# EAGLE board Mk4 Final Panel (EAGLE 9.0.1), part 8 of 18
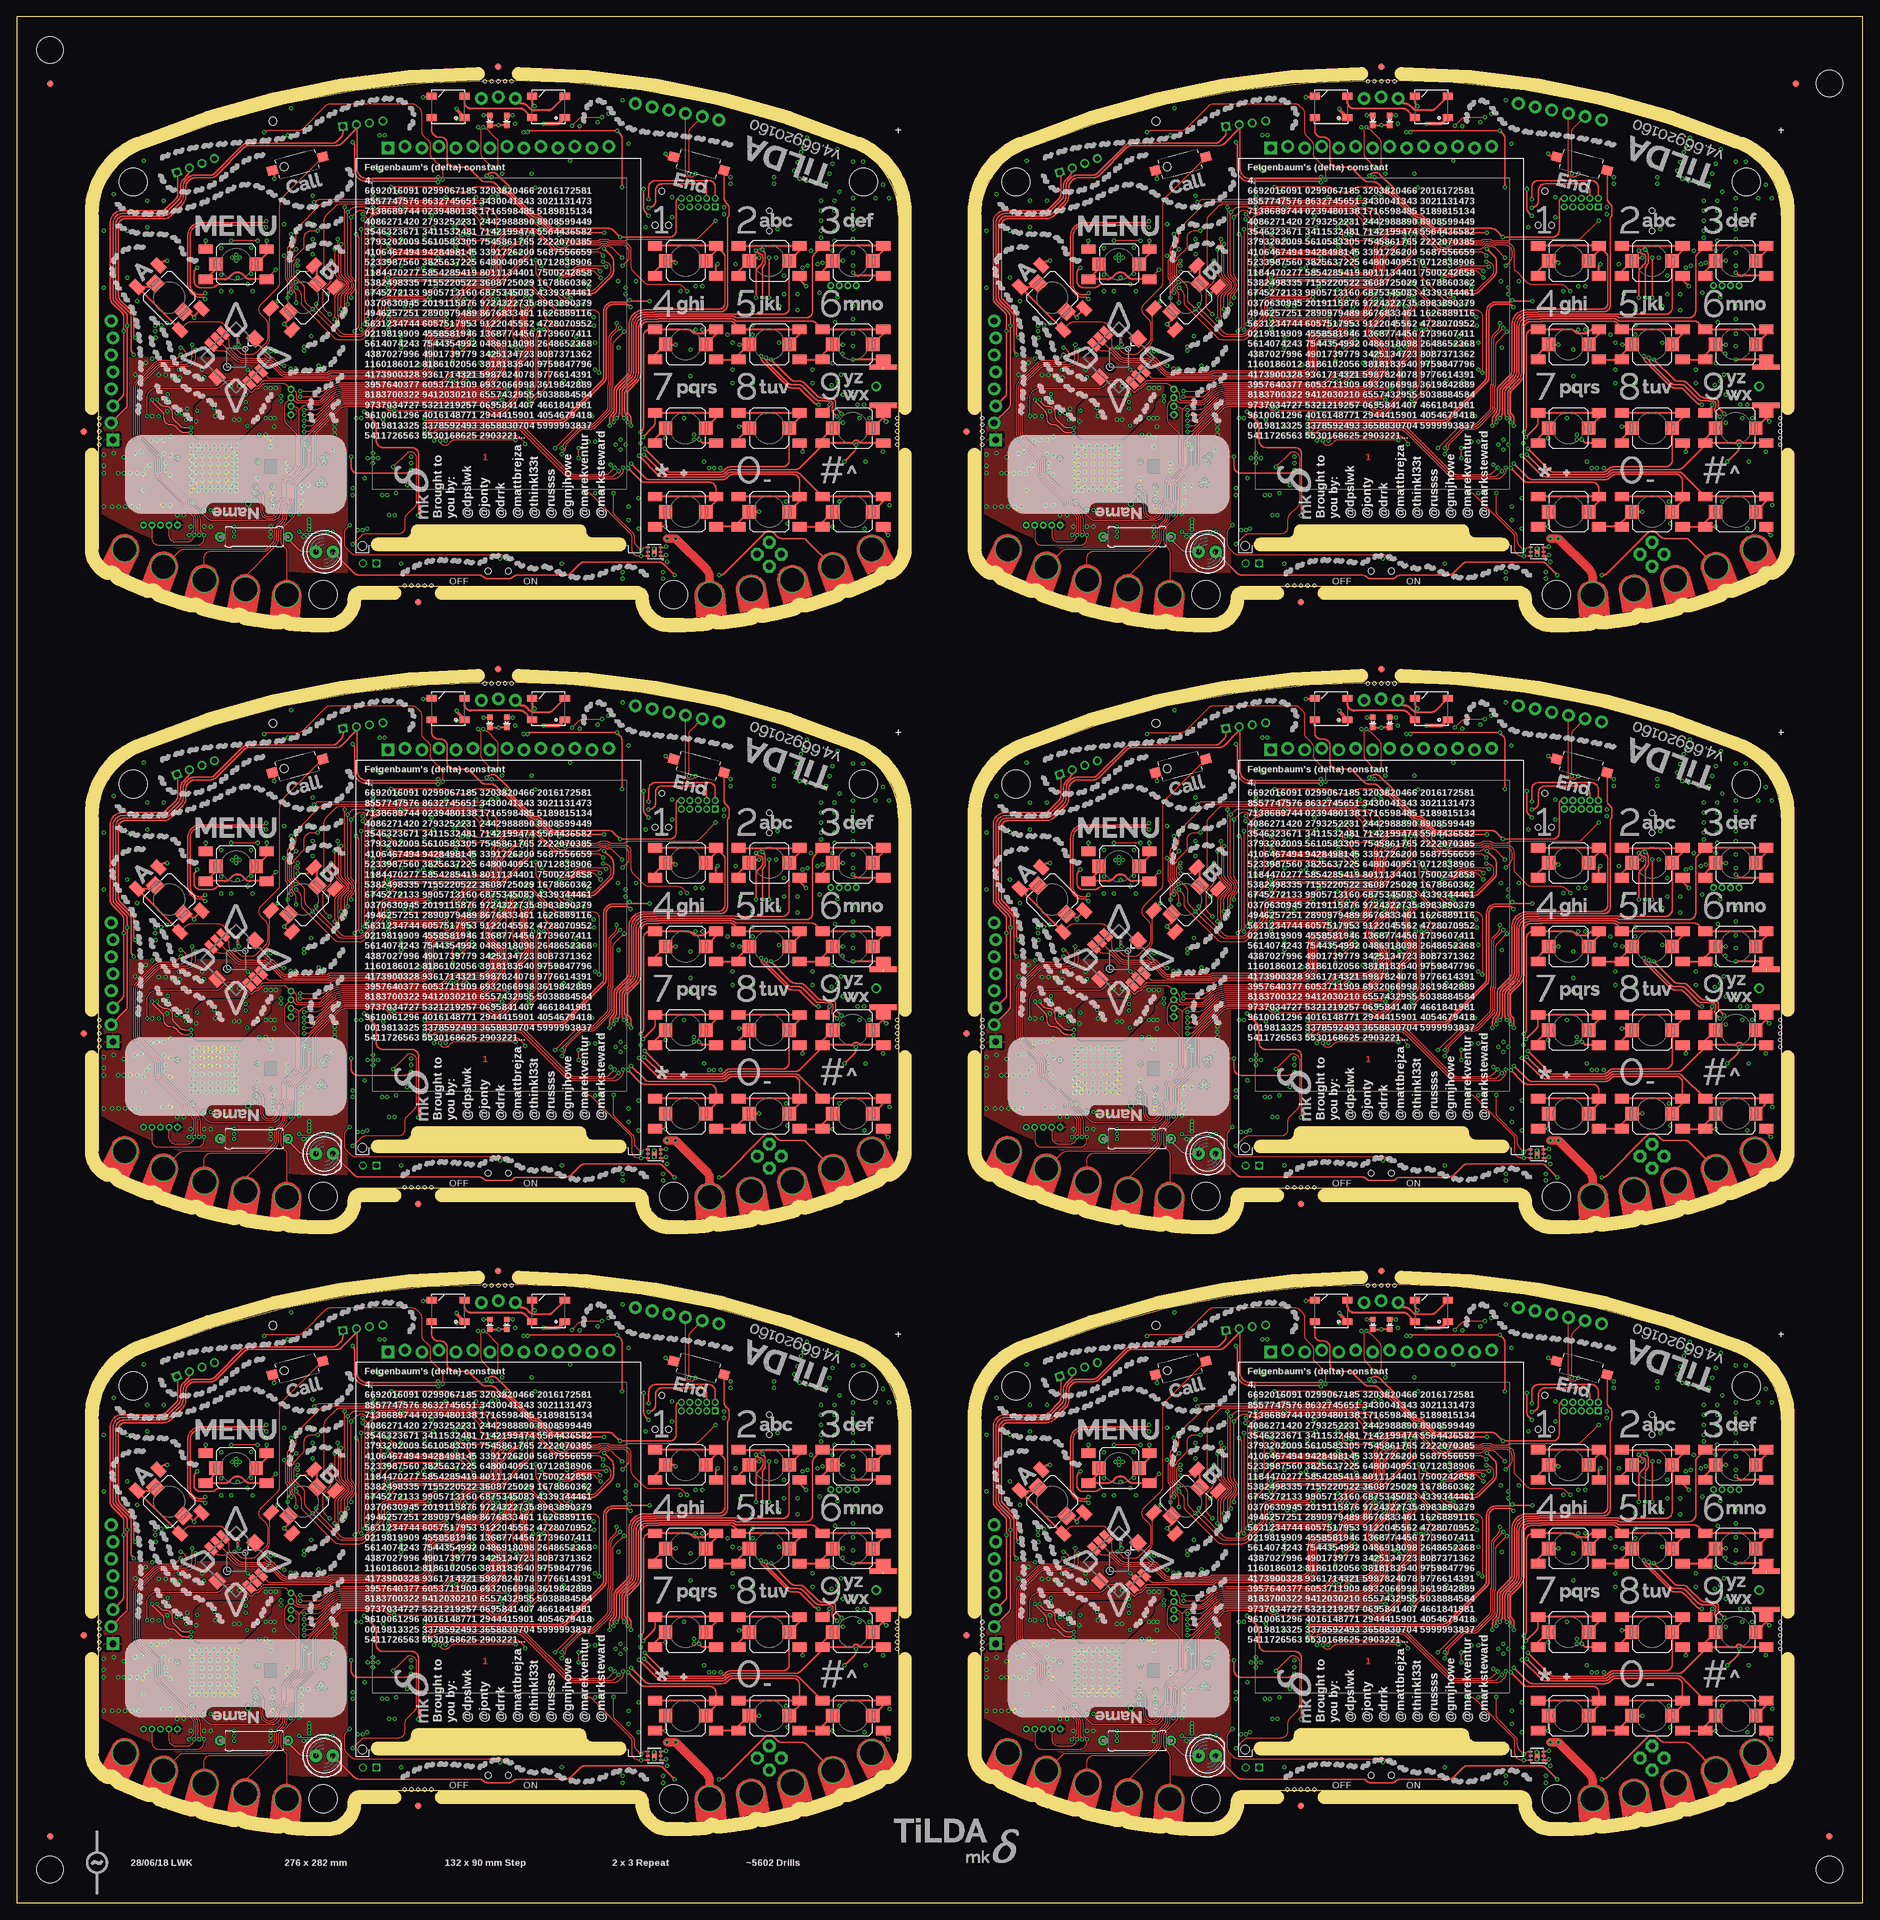
[diagram p0: board, top side]
## Tracks (layer width: path | path; a pad name or v marks a point on that pad's centre or on a via) (continued)
ETHLED4 (continued)
  Bottom 0.15: R163.2 56.5,168.51 arc45 56.79,167.81 57.51,167.09 arc-45 57.8,166.39 57.8,163.94 57.89,163.85 arc-90 57.89,163.15 57.8,163.06 57.8,159.19 57.89,159.1 arc-90 57.89,158.4 57.8,158.31 57.8,156.11 arc45 58.09,155.41 58.61,154.89 arc-45 58.9,154.19 58.9,153.4 arc90 59.9,152.4 IC38.42
ETHLED5
  Bottom 0.15: R164.2 57.5,168.01 arc45 57.79,167.31 57.81,167.29 arc-45 58.1,166.59 58.1,164.07 58.14,164.03 arc-90 58.14,162.97 58.1,162.93 58.1,159.32 58.14,159.28 arc-90 58.14,158.22 58.1,158.18 58.1,156.31 arc45 58.39,155.61 59.01,154.99 arc-45 59.3,154.29 59.3,153.8 arc90 60.3,152.8 IC38.43
ETHLED6
  Bottom 0.15: R241.2 188.5,168.51 arc45 188.79,167.81 189.51,167.09 arc-45 189.8,166.39 189.8,163.94 189.89,163.85 arc-90 189.89,163.15 189.8,163.06 189.8,159.19 189.89,159.1 arc-90 189.89,158.4 189.8,158.31 189.8,156.11 arc45 190.09,155.41 190.61,154.89 arc-45 190.9,154.19 190.9,153.4 arc90 191.9,152.4 IC56.42
ETHLED7
  Bottom 0.15: R242.2 189.5,168.01 arc45 189.79,167.31 189.81,167.29 arc-45 190.1,166.59 190.1,164.07 190.14,164.03 arc-90 190.14,162.97 190.1,162.93 190.1,159.32 190.14,159.28 arc-90 190.14,158.22 190.1,158.18 190.1,156.31 arc45 190.39,155.61 191.01,154.99 arc-45 191.3,154.29 191.3,153.8 arc90 192.3,152.8 IC56.43
ETHLED8
  Bottom 0.15: R319.2 56.5,258.51 arc45 56.79,257.81 57.51,257.09 arc-45 57.8,256.39 57.8,253.94 57.89,253.85 arc-90 57.89,253.15 57.8,253.06 57.8,249.19 57.89,249.1 arc-90 57.89,248.4 57.8,248.31 57.8,246.11 arc45 58.09,245.41 58.61,244.89 arc-45 58.9,244.19 58.9,243.4 arc90 59.9,242.4 IC74.42
ETHLED9
  Bottom 0.15: R320.2 57.5,258.01 arc45 57.79,257.31 57.81,257.29 arc-45 58.1,256.59 58.1,254.07 58.14,254.03 arc-90 58.14,252.97 58.1,252.93 58.1,249.32 58.14,249.28 arc-90 58.14,248.22 58.1,248.18 58.1,246.31 arc45 58.39,245.61 59.01,244.99 arc-45 59.3,244.29 59.3,243.8 arc90 60.3,242.8 IC74.43
ETHLED10
  Bottom 0.15: R397.2 188.5,258.51 arc45 188.79,257.81 189.51,257.09 arc-45 189.8,256.39 189.8,253.94 189.89,253.85 arc-90 189.89,253.15 189.8,253.06 189.8,249.19 189.89,249.1 arc-90 189.89,248.4 189.8,248.31 189.8,246.11 arc45 190.09,245.41 190.61,244.89 arc-45 190.9,244.19 190.9,243.4 arc90 191.9,242.4 IC92.42
ETHLED11
  Bottom 0.15: R398.2 189.5,258.01 arc45 189.79,257.31 189.81,257.29 arc-45 190.1,256.59 190.1,254.07 190.14,254.03 arc-90 190.14,252.97 190.1,252.93 190.1,249.32 190.14,249.28 arc-90 190.14,248.22 190.1,248.18 190.1,246.31 arc45 190.39,245.61 191.01,244.99 arc-45 191.3,244.29 191.3,243.8 arc90 192.3,242.8 IC92.43
FET
  Bottom 0.15: IC1.110 80.78,66 arc45 80.85,66.03 81.09,66.27 arc-45 81.17,66.3 83.58,66.3 arc-90 85.58,64.3 85.58,62.38 arc45 85.72,62.02 85.88,61.86 arc-45 86.03,61.51 86.03,61.25 arc45 86.32,60.54 95.23,51.63 arc-45 95.5,50.98 95.5,50
  Bottom 0.2: R59.1 115.41,25.25 arc-45 114.71,25.54 106.79,33.46 arc45 106.09,33.75 101.11,33.75 arc-45 100.41,34.04 95.79,38.66 arc-45 95.5,39.36 95.5,50
  Bottom 0.3: Q2.1 116.92,25.25 R59.1
FET1
  Bottom 0.15: IC20.110 212.78,66 arc45 212.85,66.03 213.09,66.27 arc-45 213.17,66.3 215.57,66.3 arc-90 217.57,64.3 217.57,62.38 arc45 217.72,62.02 217.88,61.86 arc-45 218.03,61.51 218.03,61.25 arc45 218.32,60.54 227.23,51.63 arc-45 227.5,50.98 227.5,50
  Bottom 0.2: R137.1 247.41,25.25 arc-45 246.71,25.54 238.79,33.46 arc45 238.09,33.75 233.11,33.75 arc-45 232.41,34.04 227.79,38.66 arc-45 227.5,39.36 227.5,50
  Bottom 0.3: Q5.1 248.93,25.25 R137.1
FET2
  Bottom 0.15: IC38.110 80.78,156 arc45 80.85,156.03 81.09,156.27 arc-45 81.17,156.3 83.58,156.3 arc-90 85.58,154.3 85.58,152.38 arc45 85.72,152.02 85.88,151.86 arc-45 86.03,151.51 86.03,151.25 arc45 86.32,150.54 95.23,141.63 arc-45 95.5,140.98 95.5,140
  Bottom 0.2: R215.1 115.41,115.25 arc-45 114.71,115.54 106.79,123.46 arc45 106.09,123.75 101.11,123.75 arc-45 100.41,124.04 95.79,128.66 arc-45 95.5,129.36 95.5,140
  Bottom 0.3: Q10.1 116.92,115.25 R215.1
FET3
  Bottom 0.15: IC56.110 212.78,156 arc45 212.85,156.03 213.09,156.27 arc-45 213.17,156.3 215.57,156.3 arc-90 217.57,154.3 217.57,152.38 arc45 217.72,152.02 217.88,151.86 arc-45 218.03,151.51 218.03,151.25 arc45 218.32,150.54 227.23,141.63 arc-45 227.5,140.98 227.5,140
  Bottom 0.2: R293.1 247.41,115.25 arc-45 246.71,115.54 238.79,123.46 arc45 238.09,123.75 233.11,123.75 arc-45 232.41,124.04 227.79,128.66 arc-45 227.5,129.36 227.5,140
  Bottom 0.3: Q14.1 248.93,115.25 R293.1
FET4
  Bottom 0.15: IC74.110 80.78,246 arc45 80.85,246.03 81.09,246.27 arc-45 81.17,246.3 83.58,246.3 arc-90 85.58,244.3 85.58,242.38 arc45 85.72,242.02 85.88,241.86 arc-45 86.03,241.51 86.03,241.25 arc45 86.32,240.54 95.23,231.63 arc-45 95.5,230.98 95.5,230
  Bottom 0.2: R371.1 115.41,205.25 arc-45 114.71,205.54 106.79,213.46 arc45 106.09,213.75 101.11,213.75 arc-45 100.41,214.04 95.79,218.66 arc-45 95.5,219.36 95.5,230
  Bottom 0.3: Q18.1 116.92,205.25 R371.1
FET5
  Bottom 0.15: IC92.110 212.78,246 arc45 212.85,246.03 213.09,246.27 arc-45 213.17,246.3 215.57,246.3 arc-90 217.57,244.3 217.57,242.38 arc45 217.72,242.02 217.88,241.86 arc-45 218.03,241.51 218.03,241.25 arc45 218.32,240.54 227.23,231.63 arc-45 227.5,230.98 227.5,230
  Bottom 0.2: R449.1 247.41,205.25 arc-45 246.71,205.54 238.79,213.46 arc45 238.09,213.75 233.11,213.75 arc-45 232.41,214.04 227.79,218.66 arc-45 227.5,219.36 227.5,230
  Bottom 0.3: Q22.1 248.93,205.25 R449.1
FET_OUT  (via drill 0.3)
  Top 0.25: LED5.K 50.45,18.82 arc45 51.16,18.52 69.11,18.52 arc-45 69.81,18.23 arc45 70.37,18 73.66,18 arc45 74.16,18.21 arc-45 74.87,18.5 82.09,18.5 arc45 82.79,18.79 84.21,20.21 arc-45 84.91,20.5 95.94,20.5 arc-45 96.64,20.21 v98.35,18.5 | v105,18.5 105.09,18.5 arc45 105.79,18.79 111.5,24.5 111.71,24.71 111.79,24.79 arc-90 113.21,24.79 113.71,24.29 arc45 114.41,24 117.4,24 arc-45 118.11,23.71 PCB.FET
  Bottom 0.25: v98.35,18.5 v105,18.5
  Bottom 0.4: Q2.3 118.92,23.3 arc45 119.22,22.59 120.91,20.91
  Bottom 0.5: 120.91,20.91 PCB.FET
FET_OUT1  (via drill 0.3)
  Top 0.25: LED11.K 182.45,18.82 arc45 183.16,18.52 201.1,18.52 arc-45 201.81,18.23 arc45 202.37,18 205.66,18 arc45 206.16,18.21 arc-45 206.87,18.5 214.09,18.5 arc45 214.79,18.79 216.21,20.21 arc-45 216.91,20.5 227.94,20.5 arc-45 228.64,20.21 v230.35,18.5 | v237,18.5 237.09,18.5 arc45 237.79,18.79 243.5,24.5 243.71,24.71 243.79,24.79 arc-90 245.21,24.79 245.71,24.29 arc45 246.41,24 249.4,24 arc-45 250.11,23.71 PCB1.FET
  Bottom 0.25: v230.35,18.5 v237,18.5
  Bottom 0.4: Q5.3 250.93,23.3 arc45 251.22,22.59 252.91,20.91
  Bottom 0.5: 252.91,20.91 PCB1.FET
FET_OUT2  (via drill 0.3)
  Top 0.25: LED17.K 50.45,108.82 arc45 51.16,108.53 69.11,108.53 arc-45 69.81,108.23 arc45 70.37,108 73.66,108 arc45 74.16,108.21 arc-45 74.87,108.5 82.09,108.5 arc45 82.79,108.79 84.21,110.21 arc-45 84.91,110.5 95.94,110.5 arc-45 96.64,110.21 v98.35,108.5 | v105,108.5 105.09,108.5 arc45 105.79,108.79 111.5,114.5 111.71,114.71 111.79,114.79 arc-90 113.21,114.79 113.71,114.29 arc45 114.41,114 117.4,114 arc-45 118.11,113.71 PCB2.FET
  Bottom 0.25: v98.35,108.5 v105,108.5
  Bottom 0.4: Q10.3 118.92,113.3 arc45 119.22,112.59 120.91,110.91
  Bottom 0.5: 120.91,110.91 PCB2.FET
FET_OUT3  (via drill 0.3)
  Top 0.25: LED23.K 182.45,108.82 arc45 183.16,108.53 201.1,108.53 arc-45 201.81,108.23 arc45 202.37,108 205.66,108 arc45 206.16,108.21 arc-45 206.87,108.5 214.09,108.5 arc45 214.79,108.79 216.21,110.21 arc-45 216.91,110.5 227.94,110.5 arc-45 228.64,110.21 v230.35,108.5 | v237,108.5 237.09,108.5 arc45 237.79,108.79 243.5,114.5 243.71,114.71 243.79,114.79 arc-90 245.21,114.79 245.71,114.29 arc45 246.41,114 249.4,114 arc-45 250.11,113.71 PCB3.FET
  Bottom 0.25: v230.35,108.5 v237,108.5
  Bottom 0.4: Q14.3 250.93,113.3 arc45 251.22,112.59 252.91,110.91
  Bottom 0.5: 252.91,110.91 PCB3.FET
FET_OUT4  (via drill 0.3)
  Top 0.25: LED29.K 50.45,198.82 arc45 51.16,198.53 69.11,198.53 arc-45 69.81,198.23 arc45 70.37,198 73.66,198 arc45 74.16,198.21 arc-45 74.87,198.5 82.09,198.5 arc45 82.79,198.79 84.21,200.21 arc-45 84.91,200.5 95.94,200.5 arc-45 96.64,200.21 v98.35,198.5 | v105,198.5 105.09,198.5 arc45 105.79,198.79 111.5,204.5 111.71,204.71 111.79,204.79 arc-90 113.21,204.79 113.71,204.29 arc45 114.41,204 117.4,204 arc-45 118.11,203.71 PCB4.FET
  Bottom 0.25: v98.35,198.5 v105,198.5
  Bottom 0.4: Q18.3 118.92,203.3 arc45 119.22,202.59 120.91,200.91
  Bottom 0.5: 120.91,200.91 PCB4.FET
FET_OUT5  (via drill 0.3)
  Top 0.25: LED35.K 182.45,198.82 arc45 183.16,198.53 201.1,198.53 arc-45 201.81,198.23 arc45 202.37,198 205.66,198 arc45 206.16,198.21 arc-45 206.87,198.5 214.09,198.5 arc45 214.79,198.79 216.21,200.21 arc-45 216.91,200.5 227.94,200.5 arc-45 228.64,200.21 v230.35,198.5 | v237,198.5 237.09,198.5 arc45 237.79,198.79 243.5,204.5 243.71,204.71 243.79,204.79 arc-90 245.21,204.79 245.71,204.29 arc45 246.41,204 249.4,204 arc-45 250.11,203.71 PCB5.FET
  Bottom 0.25: v230.35,198.5 v237,198.5
  Bottom 0.4: Q22.3 250.93,203.3 arc45 251.22,202.59 252.91,200.91
  Bottom 0.5: 252.91,200.91 PCB5.FET
FLASH_!CS  (via drill 0.3)
  Top 0.15: v25.75,24.5 26.23,24.98 arc45 26.52,25.69 26.52,26.73 arc45 26.23,27.44 24.9,28.77 arc-45 24.83,28.95 24.83,29.22 arc45 24.75,29.4 21.31,32.84 arc-45 20.8,34.08 20.8,35.29 arc45 20.51,35.99 18.01,38.49 arc-45 17.5,39.73 17.5,46.48 arc-45 18.01,47.71 20.46,50.16 arc-45 21.7,50.67 23.26,50.67 arc45 23.97,50.97 v24.5,51.5
  Bottom 0.15: JP1.3 21.48,24.5 arc90 22.48,23.5 24.34,23.5 arc45 25.04,23.79 v25.75,24.5 26.28,25.03 arc45 26.58,25.74 26.58,28.94 arc-45 26.63,29.08 26.72,29.16 arc45 26.77,29.3 26.77,29.66 26.75,29.68 IC15.14
  Bottom 0.2: R67.1 22.5,50.22 IC14.1 23.34,50.34 v24.5,51.5
FLASH_!CS1  (via drill 0.3)
  Top 0.15: v157.75,24.5 158.23,24.98 arc45 158.53,25.69 158.53,26.73 arc45 158.23,27.44 156.9,28.77 arc-45 156.82,28.95 156.82,29.22 arc45 156.75,29.4 153.31,32.84 arc-45 152.8,34.08 152.8,35.29 arc45 152.51,35.99 150.01,38.49 arc-45 149.5,39.73 149.5,46.48 arc-45 150.01,47.71 152.46,50.16 arc-45 153.7,50.67 155.26,50.67 arc45 155.97,50.97 v156.5,51.5
  Bottom 0.15: JP15.3 153.48,24.5 arc90 154.48,23.5 156.34,23.5 arc45 157.04,23.79 v157.75,24.5 158.28,25.03 arc45 158.57,25.74 158.57,28.94 arc-45 158.63,29.08 158.72,29.16 arc45 158.78,29.3 158.78,29.66 158.75,29.68 IC29.14
  Bottom 0.2: R145.1 154.5,50.22 IC30.1 155.34,50.34 v156.5,51.5
FLASH_!CS2  (via drill 0.3)
  Top 0.15: v25.75,114.5 26.23,114.98 arc45 26.52,115.69 26.52,116.73 arc45 26.23,117.44 24.9,118.78 arc-45 24.83,118.95 24.83,119.22 arc45 24.75,119.4 21.31,122.84 arc-45 20.8,124.08 20.8,125.29 arc45 20.51,125.99 18.01,128.49 arc-45 17.5,129.73 17.5,136.47 arc-45 18.01,137.71 20.46,140.16 arc-45 21.7,140.68 23.26,140.68 arc45 23.97,140.97 v24.5,141.5
  Bottom 0.15: JP24.3 21.48,114.5 arc90 22.48,113.5 24.34,113.5 arc45 25.04,113.79 v25.75,114.5 26.28,115.03 arc45 26.58,115.74 26.58,118.94 arc-45 26.63,119.08 26.72,119.16 arc45 26.77,119.3 26.77,119.66 26.75,119.68 IC47.14
  Bottom 0.2: R223.1 22.5,140.22 IC48.1 23.34,140.34 v24.5,141.5
FLASH_!CS3  (via drill 0.3)
  Top 0.15: v157.75,114.5 158.23,114.98 arc45 158.53,115.69 158.53,116.73 arc45 158.23,117.44 156.9,118.78 arc-45 156.82,118.95 156.82,119.22 arc45 156.75,119.4 153.31,122.84 arc-45 152.8,124.08 152.8,125.29 arc45 152.51,125.99 150.01,128.49 arc-45 149.5,129.73 149.5,136.47 arc-45 150.01,137.71 152.46,140.16 arc-45 153.7,140.68 155.26,140.68 arc45 155.97,140.97 v156.5,141.5
  Bottom 0.15: JP33.3 153.48,114.5 arc90 154.48,113.5 156.34,113.5 arc45 157.04,113.79 v157.75,114.5 158.28,115.03 arc45 158.57,115.74 158.57,118.94 arc-45 158.63,119.08 158.72,119.16 arc45 158.78,119.3 158.78,119.66 158.75,119.68 IC65.14
  Bottom 0.2: R301.1 154.5,140.22 IC66.1 155.34,140.34 v156.5,141.5
FLASH_!CS4  (via drill 0.3)
  Top 0.15: v25.75,204.5 26.23,204.98 arc45 26.52,205.69 26.52,206.73 arc45 26.23,207.44 24.9,208.78 arc-45 24.83,208.95 24.83,209.22 arc45 24.75,209.4 21.31,212.84 arc-45 20.8,214.07 20.8,215.29 arc45 20.51,215.99 18.01,218.49 arc-45 17.5,219.73 17.5,226.47 arc-45 18.01,227.71 20.46,230.16 arc-45 21.7,230.68 23.26,230.68 arc45 23.97,230.97 v24.5,231.5
  Bottom 0.15: JP42.3 21.48,204.5 arc90 22.48,203.5 24.34,203.5 arc45 25.04,203.79 v25.75,204.5 26.28,205.03 arc45 26.58,205.74 26.58,208.94 arc-45 26.63,209.08 26.72,209.16 arc45 26.77,209.3 26.77,209.66 26.75,209.68 IC83.14
  Bottom 0.2: R379.1 22.5,230.22 IC84.1 23.34,230.34 v24.5,231.5
FLASH_!CS5  (via drill 0.3)
  Top 0.15: v157.75,204.5 158.23,204.98 arc45 158.53,205.69 158.53,206.73 arc45 158.23,207.44 156.9,208.78 arc-45 156.82,208.95 156.82,209.22 arc45 156.75,209.4 153.31,212.84 arc-45 152.8,214.07 152.8,215.29 arc45 152.51,215.99 150.01,218.49 arc-45 149.5,219.73 149.5,226.47 arc-45 150.01,227.71 152.46,230.16 arc-45 153.7,230.68 155.26,230.68 arc45 155.97,230.97 v156.5,231.5
  Bottom 0.15: JP51.3 153.48,204.5 arc90 154.48,203.5 156.34,203.5 arc45 157.04,203.79 v157.75,204.5 158.28,205.03 arc45 158.57,205.74 158.57,208.94 arc-45 158.63,209.08 158.72,209.16 arc45 158.78,209.3 158.78,209.66 158.75,209.68 IC101.14
  Bottom 0.2: R457.1 154.5,230.22 IC102.1 155.34,230.34 v156.5,231.5
FLASH_!HOLD
  Bottom 0.2: R9.2 81.31,55.75 IC6.7
FLASH_!HOLD1
  Bottom 0.2: R93.2 213.31,55.75 IC22.7
FLASH_!HOLD2
  Bottom 0.2: R171.2 81.31,145.75 IC40.7
FLASH_!HOLD3
  Bottom 0.2: R249.2 213.31,145.75 IC58.7
FLASH_!HOLD4
  Bottom 0.2: R327.2 81.31,235.75 IC76.7
FLASH_!HOLD5
  Bottom 0.2: R405.2 213.31,235.75 IC94.7
FLASH_!WP
  Bottom 0.2: IC6.3 89.73,54.52 R10.2
FLASH_!WP1
  Bottom 0.2: IC22.3 221.74,54.52 R94.2
FLASH_!WP2
  Bottom 0.2: IC40.3 89.73,144.51 R172.2
FLASH_!WP3
  Bottom 0.2: IC58.3 221.74,144.51 R250.2
FLASH_!WP4
  Bottom 0.2: IC76.3 89.73,234.51 R328.2
FLASH_!WP5
  Bottom 0.2: IC94.3 221.74,234.51 R406.2
FLASH_CLK  (via drill 0.3)
  Top 0.15: v26.75,52.25 26.75,51.02 arc-90 25.5,49.77 21.76,49.77 arc45 21.05,49.48 18.69,47.12 arc45 18.4,46.41 18.4,39.81 arc45 18.69,39.11 21.49,36.31 arc-45 21.7,35.8 21.7,34.14 arc45 21.99,33.43 25.65,29.77 arc-45 25.73,29.59 25.73,29.32 arc45 25.8,29.15 26.96,27.98 arc-45 27.48,26.75 27.48,25.44 arc45 27.77,24.73 v28,24.5 28,24 arc-90 27,23 21.21,23 arc-90 20.21,24 JP1.4
  Bottom 0.15: IC15.11 28.25,29.84 arc-45 27.96,29.13 27.77,28.94 arc45 27.48,28.23 27.48,25.44 arc45 27.77,24.73 v28,24.5
  Bottom 0.2: IC14.6 27.8,52.88 arc45 27.09,52.59 v26.75,52.25
FLASH_CLK1  (via drill 0.3)
  Top 0.15: v158.75,52.25 158.75,51.02 arc-90 157.5,49.77 153.76,49.77 arc45 153.06,49.48 150.69,47.12 arc45 150.4,46.41 150.4,39.81 arc45 150.69,39.11 153.49,36.31 arc-45 153.7,35.8 153.7,34.14 arc45 153.99,33.43 157.65,29.77 arc-45 157.72,29.59 157.72,29.32 arc45 157.8,29.15 158.96,27.98 arc-45 159.47,26.75 159.47,25.44 arc45 159.77,24.73 v160,24.5 160,24 arc-90 159,23 153.21,23 arc-90 152.21,24 JP15.4
  Bottom 0.15: IC29.11 160.25,29.84 arc-45 159.96,29.13 159.77,28.94 arc45 159.47,28.23 159.47,25.44 arc45 159.77,24.73 v160,24.5
  Bottom 0.2: IC30.6 159.8,52.88 arc45 159.09,52.59 v158.75,52.25
FLASH_CLK2  (via drill 0.3)
  Top 0.15: v26.75,142.25 26.75,141.03 arc-90 25.5,139.78 21.76,139.78 arc45 21.05,139.48 18.69,137.12 arc45 18.4,136.41 18.4,129.81 arc45 18.69,129.11 21.49,126.31 arc-45 21.7,125.8 21.7,124.14 arc45 21.99,123.43 25.65,119.77 arc-45 25.73,119.59 25.73,119.33 arc45 25.8,119.15 26.96,117.98 arc-45 27.48,116.75 27.48,115.44 arc45 27.77,114.73 v28,114.5 28,114 arc-90 27,113 21.21,113 arc-90 20.21,114 JP24.4
  Bottom 0.15: IC47.11 28.25,119.84 arc-45 27.96,119.13 27.77,118.94 arc45 27.48,118.23 27.48,115.44 arc45 27.77,114.73 v28,114.5
  Bottom 0.2: IC48.6 27.8,142.88 arc45 27.09,142.59 v26.75,142.25
FLASH_CLK3  (via drill 0.3)
  Top 0.15: v158.75,142.25 158.75,141.03 arc-90 157.5,139.78 153.76,139.78 arc45 153.06,139.48 150.69,137.12 arc45 150.4,136.41 150.4,129.81 arc45 150.69,129.11 153.49,126.31 arc-45 153.7,125.8 153.7,124.14 arc45 153.99,123.43 157.65,119.77 arc-45 157.72,119.59 157.72,119.33 arc45 157.8,119.15 158.96,117.98 arc-45 159.47,116.75 159.47,115.44 arc45 159.77,114.73 v160,114.5 160,114 arc-90 159,113 153.21,113 arc-90 152.21,114 JP33.4
  Bottom 0.15: IC65.11 160.25,119.84 arc-45 159.96,119.13 159.77,118.94 arc45 159.47,118.23 159.47,115.44 arc45 159.77,114.73 v160,114.5
  Bottom 0.2: IC66.6 159.8,142.88 arc45 159.09,142.59 v158.75,142.25
FLASH_CLK4  (via drill 0.3)
  Top 0.15: v26.75,232.25 26.75,231.03 arc-90 25.5,229.78 21.76,229.78 arc45 21.05,229.48 18.69,227.12 arc45 18.4,226.41 18.4,219.81 arc45 18.69,219.11 21.49,216.31 arc-45 21.7,215.8 21.7,214.14 arc45 21.99,213.43 25.65,209.77 arc-45 25.73,209.59 25.73,209.32 arc45 25.8,209.15 26.96,207.98 arc-45 27.48,206.75 27.48,205.44 arc45 27.77,204.73 v28,204.5 28,204 arc-90 27,203 21.21,203 arc-90 20.21,204 JP42.4
  Bottom 0.15: IC83.11 28.25,209.84 arc-45 27.96,209.13 27.77,208.94 arc45 27.48,208.23 27.48,205.44 arc45 27.77,204.73 v28,204.5
  Bottom 0.2: IC84.6 27.8,232.88 arc45 27.09,232.59 v26.75,232.25
FLASH_CLK5  (via drill 0.3)
  Top 0.15: v158.75,232.25 158.75,231.03 arc-90 157.5,229.78 153.76,229.78 arc45 153.06,229.48 150.69,227.12 arc45 150.4,226.41 150.4,219.81 arc45 150.69,219.11 153.49,216.31 arc-45 153.7,215.8 153.7,214.14 arc45 153.99,213.43 157.65,209.77 arc-45 157.72,209.59 157.72,209.32 arc45 157.8,209.15 158.96,207.98 arc-45 159.47,206.75 159.47,205.44 arc45 159.77,204.73 v160,204.5 160,204 arc-90 159,203 153.21,203 arc-90 152.21,204 JP51.4
  Bottom 0.15: IC101.11 160.25,209.84 arc-45 159.96,209.13 159.77,208.94 arc45 159.47,208.23 159.47,205.44 arc45 159.77,204.73 v160,204.5
  Bottom 0.2: IC102.6 159.8,232.88 arc45 159.09,232.59 v158.75,232.25
FLASH_MISO  (via drill 0.3)
  Top 0.15: v24.5,52.5 arc-45 24.84,52.36 25.11,52.09 arc-45 25.4,51.39 25.4,51.38 arc-90 24.4,50.38 21.72,50.38 arc45 20.66,49.94 18.24,47.52 arc45 17.8,46.45 17.8,39.75 arc45 18.24,38.69 20.73,36.19 arc-45 21.1,35.31 21.1,34.1 arc45 21.54,33.03 25.05,29.52 arc-45 25.12,29.35 25.12,29.08 arc45 25.2,28.9 26.46,27.64 arc-45 26.83,26.76 26.83,25.24 arc-45 26.53,24.53 v26.5,24.5 arc-90 25.5,23.5 23.75,23.5 arc-90 22.75,24.5 JP1.2
  Bottom 0.15: 26.5,24.6 v26.5,24.5 26.5,24.71 arc-45 26.58,24.91 arc45 26.88,25.62 26.88,28.48 arc-45 27.17,29.19 arc45 27.25,29.39 IC15.13
  Bottom 0.2: IC14.2 23.2,51.62 arc45 23.91,51.91 v24.5,52.5
FLASH_MISO1  (via drill 0.3)
  Top 0.15: v156.5,52.5 arc-45 156.84,52.36 157.11,52.09 arc-45 157.4,51.39 157.4,51.38 arc-90 156.4,50.38 153.72,50.38 arc45 152.66,49.94 150.24,47.52 arc45 149.8,46.45 149.8,39.75 arc45 150.24,38.69 152.73,36.19 arc-45 153.1,35.31 153.1,34.1 arc45 153.54,33.03 157.05,29.52 arc-45 157.12,29.35 157.12,29.08 arc45 157.2,28.9 158.46,27.64 arc-45 158.82,26.76 158.82,25.24 arc-45 158.53,24.53 v158.5,24.5 arc-90 157.5,23.5 155.75,23.5 arc-90 154.75,24.5 JP15.2
  Bottom 0.15: 158.5,24.6 v158.5,24.5 158.5,24.71 arc-45 158.58,24.91 arc45 158.88,25.62 158.88,28.48 arc-45 159.17,29.19 arc45 159.25,29.39 IC29.13
  Bottom 0.2: IC30.2 155.2,51.62 arc45 155.91,51.91 v156.5,52.5
FLASH_MISO2  (via drill 0.3)
  Top 0.15: v24.5,142.5 arc-45 24.84,142.36 25.11,142.09 arc-45 25.4,141.39 25.4,141.38 arc-90 24.4,140.38 21.72,140.38 arc45 20.66,139.94 18.24,137.51 arc45 17.8,136.45 17.8,129.75 arc45 18.24,128.69 20.73,126.19 arc-45 21.1,125.31 21.1,124.1 arc45 21.54,123.03 25.05,119.52 arc-45 25.12,119.35 25.12,119.08 arc45 25.2,118.9 26.46,117.64 arc-45 26.83,116.75 26.83,115.24 arc-45 26.53,114.53 v26.5,114.5 arc-90 25.5,113.5 23.75,113.5 arc-90 22.75,114.5 JP24.2
  Bottom 0.15: 26.5,114.6 v26.5,114.5 26.5,114.71 arc-45 26.58,114.91 arc45 26.88,115.61 26.88,118.48 arc-45 27.17,119.19 arc45 27.25,119.39 IC47.13
  Bottom 0.2: IC48.2 23.2,141.62 arc45 23.91,141.91 v24.5,142.5
FLASH_MISO3  (via drill 0.3)
  Top 0.15: v156.5,142.5 arc-45 156.84,142.36 157.11,142.09 arc-45 157.4,141.39 157.4,141.38 arc-90 156.4,140.38 153.72,140.38 arc45 152.66,139.94 150.24,137.51 arc45 149.8,136.45 149.8,129.75 arc45 150.24,128.69 152.73,126.19 arc-45 153.1,125.31 153.1,124.1 arc45 153.54,123.03 157.05,119.52 arc-45 157.12,119.35 157.12,119.08 arc45 157.2,118.9 158.46,117.64 arc-45 158.82,116.75 158.82,115.24 arc-45 158.53,114.53 v158.5,114.5 arc-90 157.5,113.5 155.75,113.5 arc-90 154.75,114.5 JP33.2
  Bottom 0.15: 158.5,114.6 v158.5,114.5 158.5,114.71 arc-45 158.58,114.91 arc45 158.88,115.61 158.88,118.48 arc-45 159.17,119.19 arc45 159.25,119.39 IC65.13
  Bottom 0.2: IC66.2 155.2,141.62 arc45 155.91,141.91 v156.5,142.5
FLASH_MISO4  (via drill 0.3)
  Top 0.15: v24.5,232.5 arc-45 24.84,232.36 25.11,232.09 arc-45 25.4,231.39 25.4,231.38 arc-90 24.4,230.38 21.72,230.38 arc45 20.66,229.94 18.24,227.51 arc45 17.8,226.45 17.8,219.75 arc45 18.24,218.69 20.73,216.19 arc-45 21.1,215.31 21.1,214.1 arc45 21.54,213.03 25.05,209.52 arc-45 25.12,209.35 25.12,209.08 arc45 25.2,208.9 26.46,207.64 arc-45 26.83,206.75 26.83,205.24 arc-45 26.53,204.53 v26.5,204.5 arc-90 25.5,203.5 23.75,203.5 arc-90 22.75,204.5 JP42.2
  Bottom 0.15: 26.5,204.6 v26.5,204.5 26.5,204.71 arc-45 26.58,204.91 arc45 26.88,205.62 26.88,208.48 arc-45 27.17,209.19 arc45 27.25,209.39 IC83.13
  Bottom 0.2: IC84.2 23.2,231.62 arc45 23.91,231.91 v24.5,232.5
FLASH_MISO5  (via drill 0.3)
  Top 0.15: v156.5,232.5 arc-45 156.84,232.36 157.11,232.09 arc-45 157.4,231.39 157.4,231.38 arc-90 156.4,230.38 153.72,230.38 arc45 152.66,229.94 150.24,227.51 arc45 149.8,226.45 149.8,219.75 arc45 150.24,218.69 152.73,216.19 arc-45 153.1,215.31 153.1,214.1 arc45 153.54,213.03 157.05,209.52 arc-45 157.12,209.35 157.12,209.08 arc45 157.2,208.9 158.46,207.64 arc-45 158.82,206.75 158.82,205.24 arc-45 158.53,204.53 v158.5,204.5 arc-90 157.5,203.5 155.75,203.5 arc-90 154.75,204.5 JP51.2
  Bottom 0.15: 158.5,204.6 v158.5,204.5 158.5,204.71 arc-45 158.58,204.91 arc45 158.88,205.62 158.88,208.48 arc-45 159.17,209.19 arc45 159.25,209.39 IC101.13
  Bottom 0.2: IC102.2 155.2,231.62 arc45 155.91,231.91 v156.5,232.5
FLASH_MOSI  (via drill 0.3)
  Top 0.15: v27.25,24.5 arc-45 27.12,24.8 27.12,26.78 arc45 26.69,27.84 25.5,29.02 arc-45 25.42,29.2 25.42,29.47 arc45 25.35,29.65 21.77,33.23 arc-45 21.4,34.12 21.4,35.33 arc45 20.96,36.39 18.47,38.88 arc-45 18.1,39.77 18.1,46.43 arc-45 18.47,47.32 20.86,49.71 arc-45 21.74,50.08 25.2,50.08 arc90 26.2,51.08 26.2,52.95 v26.25,53
  Bottom 0.15: 27.17,24.57 v27.25,24.5 | JP1.5 18.94,25.56 21.21,23.29 arc45 21.91,23 26.02,23 arc90 27.02,24 27.02,24.21 arc-45 27.17,24.57 | IC15.12 27.75,29.75 arc-45 27.47,29.07 arc45 27.17,28.36 27.17,24.57
  Bottom 0.2: IC14.5 27.82,54.16 arc45 27.11,53.86 v26.25,53
FLASH_MOSI1  (via drill 0.3)
  Top 0.15: v159.25,24.5 arc-45 159.12,24.8 159.12,26.78 arc45 158.69,27.84 157.5,29.02 arc-45 157.43,29.2 157.43,29.47 arc45 157.35,29.65 153.77,33.23 arc-45 153.4,34.12 153.4,35.33 arc45 152.96,36.39 150.47,38.88 arc-45 150.1,39.77 150.1,46.43 arc-45 150.47,47.32 152.86,49.71 arc-45 153.74,50.08 157.2,50.08 arc90 158.2,51.08 158.2,52.95 v158.25,53
  Bottom 0.15: 159.18,24.57 v159.25,24.5 | JP15.5 150.94,25.56 153.21,23.29 arc45 153.91,23 158.03,23 arc90 159.03,24 159.03,24.21 arc-45 159.18,24.57 | IC29.12 159.75,29.75 arc-45 159.47,29.07 arc45 159.18,28.36 159.18,24.57
  Bottom 0.2: IC30.5 159.82,54.16 arc45 159.11,53.86 v158.25,53
FLASH_MOSI2  (via drill 0.3)
  Top 0.15: v27.25,114.5 arc-45 27.12,114.8 27.12,116.78 arc45 26.69,117.84 25.5,119.02 arc-45 25.42,119.2 25.42,119.47 arc45 25.35,119.65 21.77,123.23 arc-45 21.4,124.12 21.4,125.33 arc45 20.96,126.39 18.47,128.88 arc-45 18.1,129.77 18.1,136.43 arc-45 18.47,137.32 20.86,139.71 arc-45 21.74,140.07 25.2,140.07 arc90 26.2,141.07 26.2,142.95 v26.25,143
  Bottom 0.15: 27.17,114.58 v27.25,114.5 | JP24.5 18.94,115.56 21.21,113.29 arc45 21.91,113 26.02,113 arc90 27.02,114 27.02,114.21 arc-45 27.17,114.58 | IC47.12 27.75,119.75 arc-45 27.47,119.07 arc45 27.17,118.36 27.17,114.58
  Bottom 0.2: IC48.5 27.82,144.16 arc45 27.11,143.86 v26.25,143
FLASH_MOSI3  (via drill 0.3)
  Top 0.15: v159.25,114.5 arc-45 159.12,114.8 159.12,116.78 arc45 158.69,117.84 157.5,119.02 arc-45 157.43,119.2 157.43,119.47 arc45 157.35,119.65 153.77,123.23 arc-45 153.4,124.12 153.4,125.33 arc45 152.96,126.39 150.47,128.88 arc-45 150.1,129.77 150.1,136.43 arc-45 150.47,137.32 152.86,139.71 arc-45 153.74,140.07 157.2,140.07 arc90 158.2,141.07 158.2,142.95 v158.25,143
  Bottom 0.15: 159.18,114.58 v159.25,114.5 | JP33.5 150.94,115.56 153.21,113.29 arc45 153.91,113 158.03,113 arc90 159.03,114 159.03,114.21 arc-45 159.18,114.58 | IC65.12 159.75,119.75 arc-45 159.47,119.07 arc45 159.18,118.36 159.18,114.58
  Bottom 0.2: IC66.5 159.82,144.16 arc45 159.11,143.86 v158.25,143
FLASH_MOSI4  (via drill 0.3)
  Top 0.15: v27.25,204.5 arc-45 27.12,204.8 27.12,206.78 arc45 26.69,207.84 25.5,209.02 arc-45 25.42,209.2 25.42,209.47 arc45 25.35,209.65 21.77,213.23 arc-45 21.4,214.12 21.4,215.33 arc45 20.96,216.39 18.47,218.88 arc-45 18.1,219.77 18.1,226.43 arc-45 18.47,227.32 20.86,229.71 arc-45 21.74,230.07 25.2,230.07 arc90 26.2,231.07 26.2,232.95 v26.25,233